# KiCad board STE25.kicad_pcb
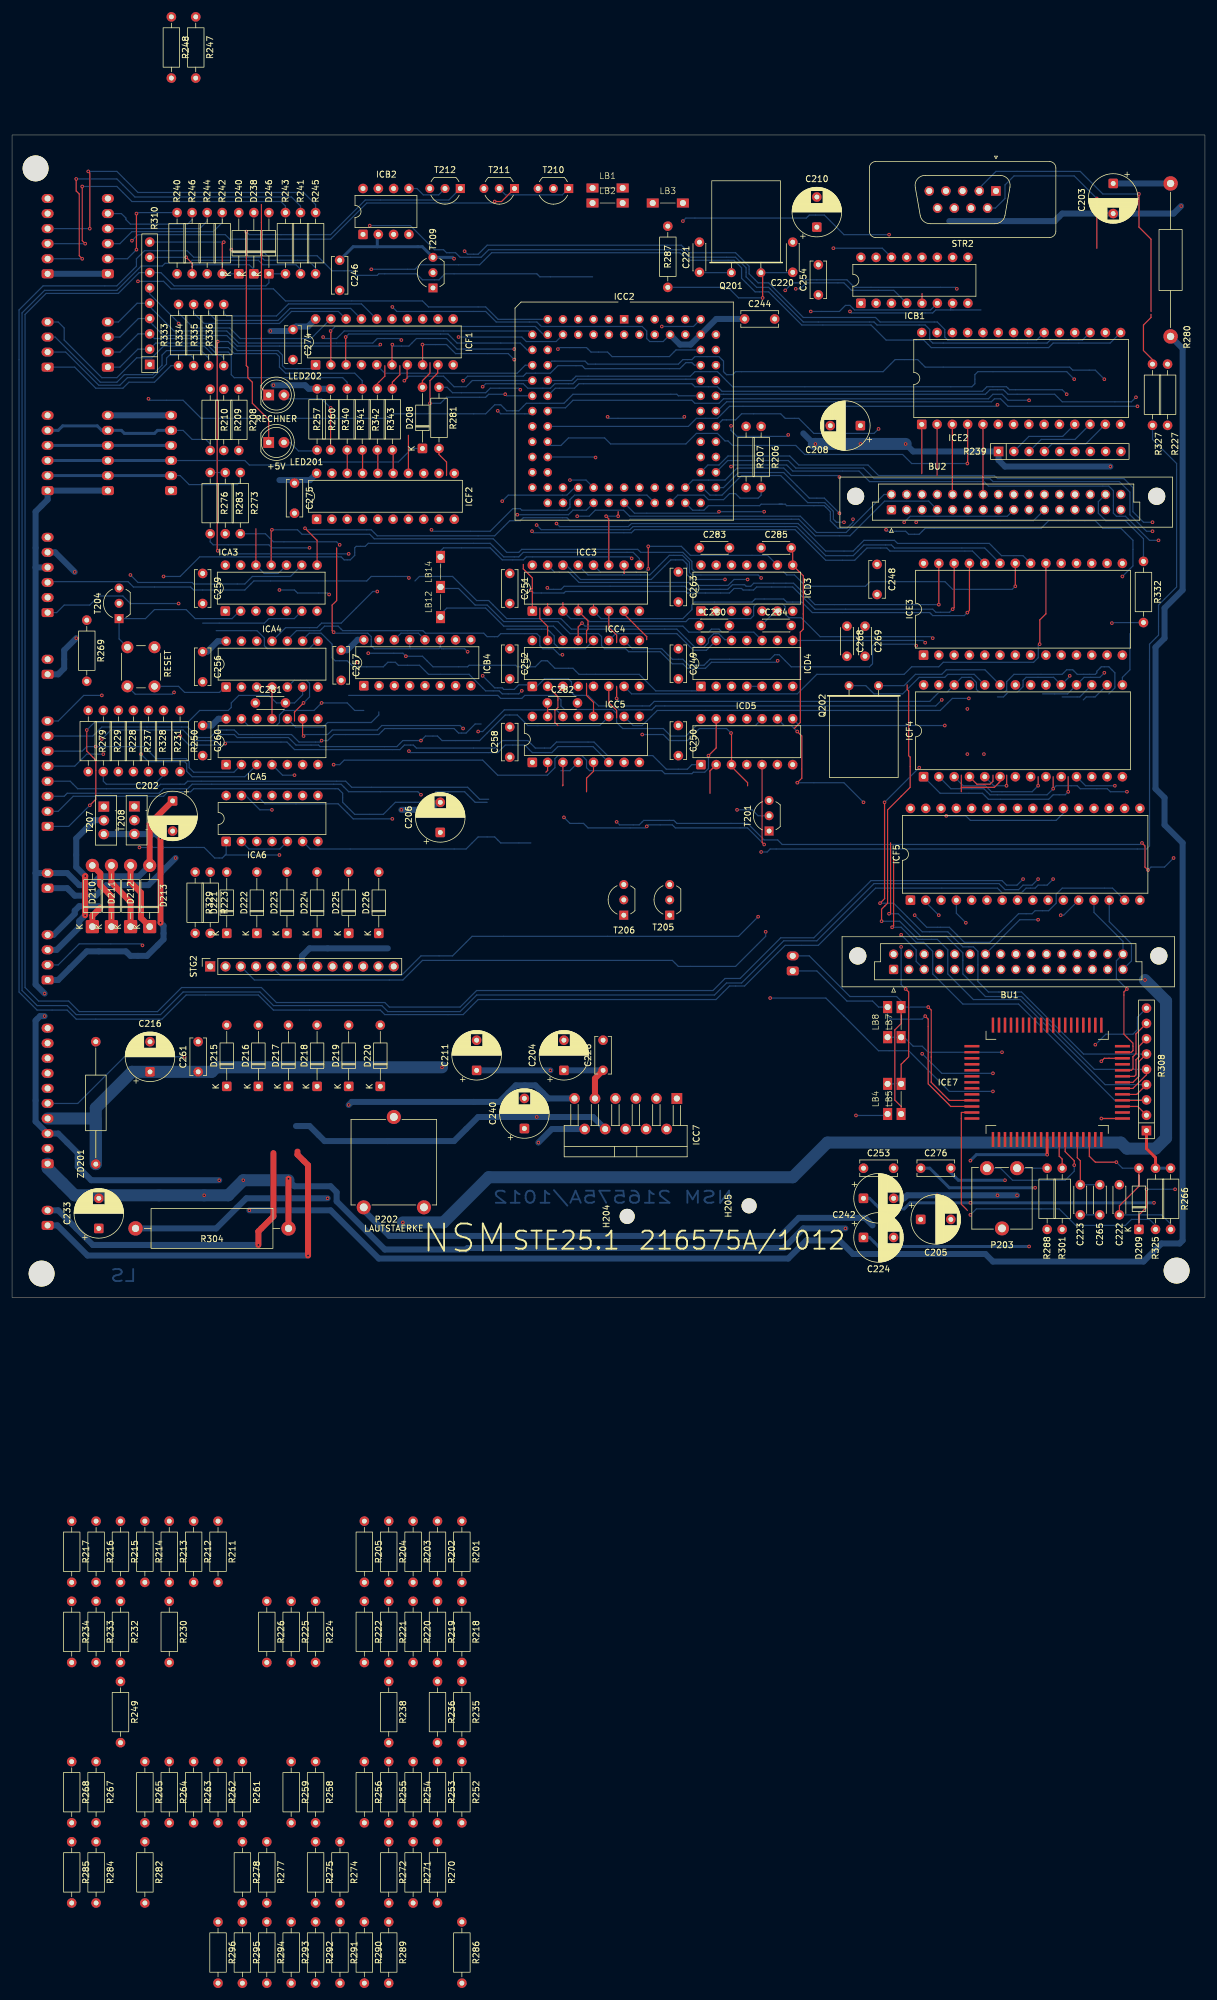
[diagram p0: board, top side]
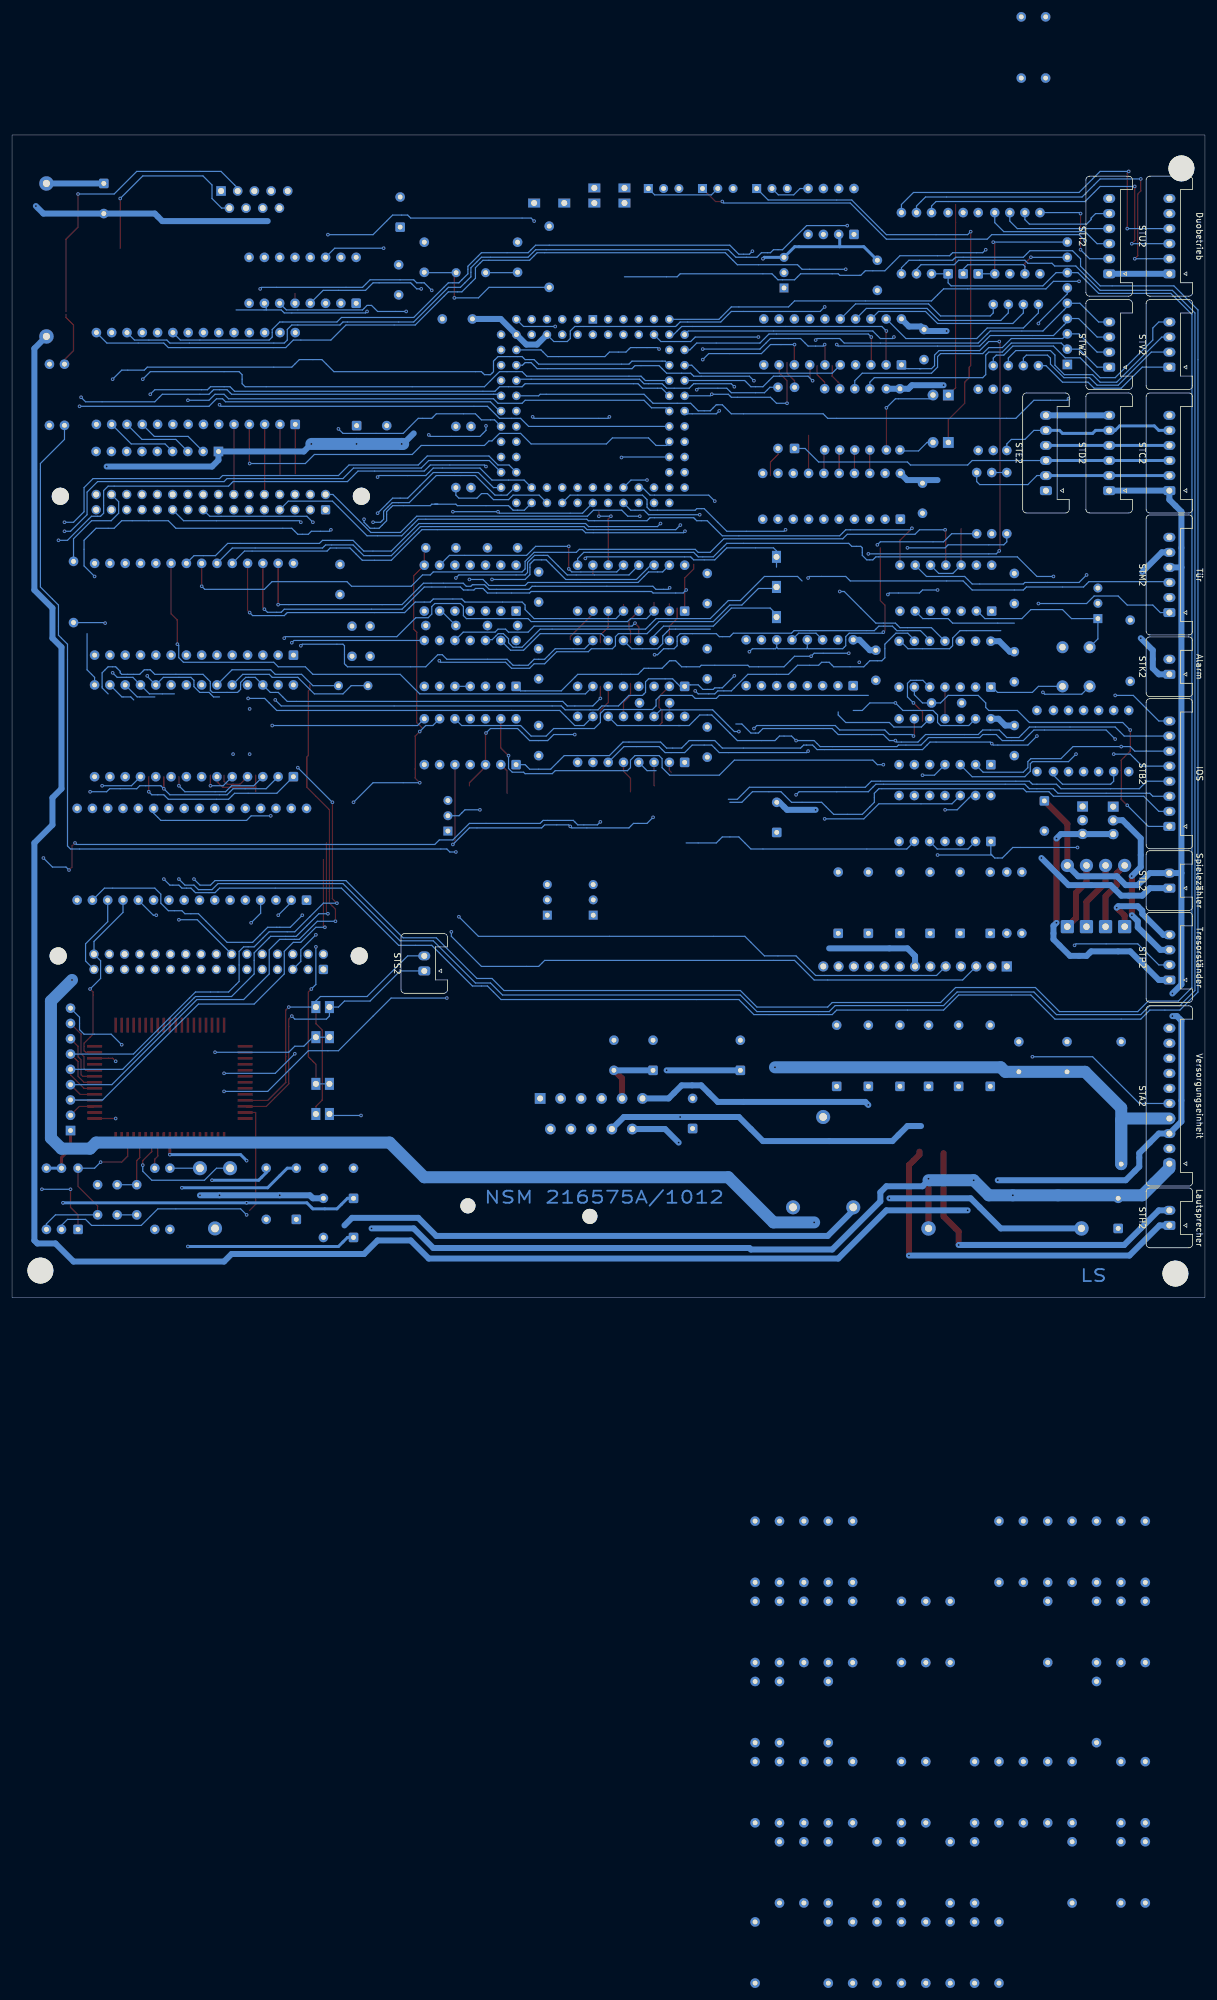
[diagram p1: board, bottom side, seen from below]

Outline 198.12 x 193.04 mm; copper layers: Top, Bottom. Coordinates in mm from the lower left corner of the outline.
Outline path: rectangle 0,193.04 198.12,0

## Placement (name value [footprint] x y rotation side)
BU1  DIN41612_02x16_AB  [DIN41612_B2_2x16_Female_Vertical_THT]  146.41 54.49 90 top
BU2  DIN41612_02x16_AB  [DIN41612_B2_2x16_Female_Vertical_THT]  146.05 130.81 90 top
C202  100uF 25V  [CP_Radial_D8.0mm_P5.00mm]  26.67 82.47 270 top
C203  100uF 25V  [CP_Radial_D8.0mm_P5.00mm]  182.88 184.99 270 top
C204  100uF 25V  [CP_Radial_D8.0mm_P5.00mm]  91.66 37.74 90 top
C205  100uF 25V  [CP_Radial_D8.0mm_P5.00mm]  150.91 12.99 0 top
C206  100uF 25V  [CP_Radial_D8.0mm_P5.00mm]  71.12 77.24 90 top
C208  100uF 25V  [CP_Radial_D8.0mm_P5.00mm]  140.89 144.78 180 top
C210  33uF 35V  [CP_Radial_D8.0mm_P5.00mm]  133.66 177.74 90 top
C211  220uF 25V  [CP_Radial_D8.0mm_P5.00mm]  77.16 37.74 90 top
C216  470uF 25V  [CP_Radial_D8.0mm_P5.00mm]  22.91 37.49 90 top
C220  15p  [C_Disc_D4.3mm_W1.9mm_P5.00mm]  129.66 170.24 90 top
C221  15p  [C_Disc_D4.3mm_W1.9mm_P5.00mm]  114.16 170.24 90 top
C222  47  [C_Disc_D4.3mm_W1.9mm_P5.00mm]  183.91 13.74 90 top
C223  47  [C_Disc_D4.3mm_W1.9mm_P5.00mm]  177.41 13.74 90 top
C224  1uF 100V  [CP_Radial_D8.0mm_P5.00mm]  141.41 9.99 0 top
C228  104  [C_Disc_D6.0mm_W2.5mm_P5.00mm]  98.16 37.74 90 top
C233  4.7uF 100V  [CP_Radial_D8.0mm_P5.00mm]  14.41 11.49 90 top
C240  220uF 25V  [CP_Radial_D8.0mm_P5.00mm]  85.09 28.08 90 top
C242  4.7uF 100V  [CP_Radial_D8.0mm_P5.00mm]  141.41 16.49 0 top
C244  104  [C_Disc_D6.0mm_W2.5mm_P5.00mm]  121.66 162.49 0 top
C246  104  [C_Disc_D6.0mm_W2.5mm_P5.00mm]  54.41 172.24 270 top
C248  104  [C_Disc_D6.0mm_W2.5mm_P5.00mm]  143.66 121.74 270 top
C249  104  [C_Disc_D6.0mm_W2.5mm_P5.00mm]  110.66 107.74 270 top
C250  104  [C_Disc_D6.0mm_W2.5mm_P5.00mm]  110.66 94.99 270 top
C251  104  [C_Disc_D6.0mm_W2.5mm_P5.00mm]  82.66 120.24 270 top
C252  104  [C_Disc_D6.0mm_W2.5mm_P5.00mm]  82.66 107.74 270 top
C253  104  [C_Disc_D6.0mm_W2.5mm_P5.00mm]  141.41 21.49 0 top
C254  104  [C_Disc_D6.0mm_W2.5mm_P5.00mm]  133.91 166.49 90 top
C256  104  [C_Disc_D6.0mm_W2.5mm_P5.00mm]  31.66 107.24 270 top
C257  104  [C_Disc_D6.0mm_W2.5mm_P5.00mm]  54.66 107.49 270 top
C258  104  [C_Disc_D6.0mm_W2.5mm_P5.00mm]  82.66 89.74 90 top
C259  104  [C_Disc_D6.0mm_W2.5mm_P5.00mm]  31.66 120.24 270 top
C260  104  [C_Disc_D6.0mm_W2.5mm_P5.00mm]  31.66 94.99 270 top
C261  104  [C_Disc_D6.0mm_W2.5mm_P5.00mm]  30.91 37.49 90 top
C263  104  [C_Disc_D6.0mm_W2.5mm_P5.00mm]  110.66 120.49 270 top
C265  C  [C_Disc_D4.3mm_W1.9mm_P5.00mm]  180.66 13.74 90 top  (not fitted)
C268  27  [C_Disc_D4.3mm_W1.9mm_P5.00mm]  138.66 111.49 270 top
C269  27  [C_Disc_D4.3mm_W1.9mm_P5.00mm]  141.66 111.49 270 top
C274  104  [C_Disc_D6.0mm_W2.5mm_P5.00mm]  46.66 160.74 270 top
C275  104  [C_Disc_D6.0mm_W2.5mm_P5.00mm]  46.91 135.24 270 top
C276  104  [C_Disc_D6.0mm_W2.5mm_P5.00mm]  150.91 21.49 0 top
C280  271  [C_Disc_D4.3mm_W1.9mm_P5.00mm]  114.16 111.59 0 top
C281  271  [C_Disc_D4.3mm_W1.9mm_P5.00mm]  40.41 98.74 0 top
C282  271  [C_Disc_D4.3mm_W1.9mm_P5.00mm]  88.91 98.74 0 top
C283  271  [C_Disc_D4.3mm_W1.9mm_P5.00mm]  114.16 124.49 0 top
C284  271  [C_Disc_D4.3mm_W1.9mm_P5.00mm]  124.41 111.59 0 top
C285  271  [C_Disc_D4.3mm_W1.9mm_P5.00mm]  124.41 124.49 0 top
D208  BAT85  [D_DO-35_SOD27_P10.16mm_Horizontal]  68.16 140.99 90 top
D209  BAT85  [D_DO-35_SOD27_P10.16mm_Horizontal]  187.16 11.33 90 top
D210  1N4001  [D_DO-41_SOD81_P10.16mm_Horizontal]  13.33 61.59 90 top
D211  1N4001  [D_DO-41_SOD81_P10.16mm_Horizontal]  16.51 61.59 90 top
D212  1N4001  [D_DO-41_SOD81_P10.16mm_Horizontal]  19.69 61.59 90 top
D213  1N4001  [D_DO-41_SOD81_P10.16mm_Horizontal]  22.86 61.59 90 top
D215  BAT85  [D_DO-35_SOD27_P10.16mm_Horizontal]  35.66 35.08 90 top
D216  BAT85  [D_DO-35_SOD27_P10.16mm_Horizontal]  40.91 35.08 90 top
D217  BAT85  [D_DO-35_SOD27_P10.16mm_Horizontal]  45.91 35.08 90 top
D218  BAT85  [D_DO-35_SOD27_P10.16mm_Horizontal]  50.66 35.08 90 top
D219  BAT85  [D_DO-35_SOD27_P10.16mm_Horizontal]  55.91 35.08 90 top
D220  BAT85  [D_DO-35_SOD27_P10.16mm_Horizontal]  61.16 35.08 90 top
D221  BAT85  [D_DO-35_SOD27_P10.16mm_Horizontal]  35.66 60.49 90 top
D222  BAT85  [D_DO-35_SOD27_P10.16mm_Horizontal]  40.66 60.49 90 top
D223  BAT85  [D_DO-35_SOD27_P10.16mm_Horizontal]  45.66 60.49 90 top
D224  BAT85  [D_DO-35_SOD27_P10.16mm_Horizontal]  50.66 60.49 90 top
D225  BAT85  [D_DO-35_SOD27_P10.16mm_Horizontal]  55.91 60.49 90 top
D226  BAT85  [D_DO-35_SOD27_P10.16mm_Horizontal]  60.91 60.49 90 top
D238  BAT85  [D_DO-35_SOD27_P10.16mm_Horizontal]  40.16 169.99 90 top
D240  BAT85  [D_DO-35_SOD27_P10.16mm_Horizontal]  37.66 169.99 90 top
D246  BAT85  [D_DO-35_SOD27_P10.16mm_Horizontal]  42.66 169.99 90 top
H201  MountingHole  [MountingHole_4.3mm_M4]  3.91 187.49 0 top
H202  MountingHole  [MountingHole_4.3mm_M4]  4.91 3.99 0 top
H203  MountingHole  [MountingHole_4.3mm_M4]  193.41 4.49 0 top
H204  MountingHole  [MountingHole_2.5mm]  102.16 13.49 90 top
H205  MountingHole  [MountingHole_2.5mm]  122.41 15.24 90 top
ICA3  74HC32N  [DIP-14_W7.62mm]  35.42 113.99 90 top
ICA4  74HC08N  [DIP-14_W7.62mm]  35.56 101.37 90 top
ICA5  74HC00  [DIP-14_W7.62mm]  35.56 88.49 90 top
ICA6  74HC32N  [DIP-14_W7.62mm]  35.56 75.74 90 top
ICB1  74HC123  [DIP-16_W7.62mm]  140.97 165.1 90 top
ICB2  TL7705A  [DIP-8_W7.62mm]  58.29 176.53 90 top
ICB4  74HC368  [DIP-16_W7.62mm]  58.42 101.6 90 top
ICC2  uPD70322L-8-232  [PLCC-84_THT-Socket]  101.66 162.43 0 top
ICC3  74HC138  [DIP-16_W7.62mm]  86.41 113.99 90 top
ICC4  74AS138  [DIP-16_W7.62mm]  86.41 101.49 90 top
ICC5  74HC4050  [DIP-16_W7.62mm]  86.41 88.87 90 top
ICC7  TDA2005  [TO-220-11_P3.4x5.08mm_StaggerOdd_Lead4.58mm_Vertical]  110.41 33.07 180 top
ICD3  74HC04  [DIP-14_W7.62mm]  114.41 113.99 90 top
ICD4  74HCT21  [DIP-14_W7.62mm]  114.41 101.49 90 top
ICD5  74HC04  [DIP-14_W7.62mm]  114.41 88.49 90 top
ICE2  IS62C256AL  [DIP-28_W15.24mm]  151.09 144.99 90 top
ICE3  A276308A-70  [DIP-28_W15.24mm]  151.38 106.68 90 top
ICE7  MSM6376  [QFP-64_14x20_Pitch1mm]  171.91 35.74 90 top
ICF1  74HCT574  [DIP-20_W7.62mm]  50.41 154.87 90 top
ICF2  74HCT245  [DIP-20_W7.62mm]  50.59 129.24 90 top
ICF4  SCC2692AC1N28  [DIP-28_W15.24mm]  151.39 86.49 90 top
ICF5  27C4001  [DIP-32_W15.24mm]  149.21 65.99 90 top
LB1  Jumper_2_Open  [NSM_Jumper]  98.91 184.24 0 top
LB2  Jumper_2_Open  [NSM_Jumper]  98.91 181.74 0 top
LB3  Jumper_2_Open  [NSM_Jumper]  108.91 181.74 0 top
LB4  Jumper_2_Open  [NSM_Jumper]  145.41 32.99 90 top
LB5  Jumper_2_Open  [NSM_Jumper]  147.66 32.99 90 top
LB7  Spielmodul Sound A19  [NSM_Jumper]  147.66 45.74 90 top
LB8  Spielmodul Sound A20  [NSM_Jumper]  145.41 45.74 90 top
LB12  Jumper_2_Open  [NSM_Jumper]  71.16 115.49 90 top
LB14  Jumper_2_Open  [NSM_Jumper]  71.16 120.49 90 top
LED201  +5V  [LED_D5.0mm]  42.62 141.99 0 top
LED202  RECHNER  [LED_D5.0mm]  42.62 149.86 0 top
P202  LAUTSTAERKE  [Potentiometer_ACP_CA14V-15_Vertical]  68.41 14.99 90 top
P203  R_Potentiometer  [Potentiometer_ACP_CA9-V10_Vertical]  161.91 21.49 270 top
Q201  16.0  [Crystal_HC49-U_Horizontal]  124.37 170.18 180 top
Q202  3.686  [Crystal_HC49-U_Horizontal]  139.01 101.61 0 top
R201  R  [R_Axial_DIN0207_L6.3mm_D2.5mm_P10.16mm_Horizontal]  74.71 -37.11 270 top
R202  R  [R_Axial_DIN0207_L6.3mm_D2.5mm_P10.16mm_Horizontal]  70.66 -37.11 270 top
R203  R  [R_Axial_DIN0207_L6.3mm_D2.5mm_P10.16mm_Horizontal]  66.61 -37.11 270 top
R204  R  [R_Axial_DIN0207_L6.3mm_D2.5mm_P10.16mm_Horizontal]  62.56 -37.11 270 top
R205  R  [R_Axial_DIN0207_L6.3mm_D2.5mm_P10.16mm_Horizontal]  58.51 -37.11 270 top
R206  R  [R_Axial_DIN0207_L6.3mm_D2.5mm_P10.16mm_Horizontal]  124.41 144.65 270 top
R207  R  [R_Axial_DIN0207_L6.3mm_D2.5mm_P10.16mm_Horizontal]  121.91 144.65 270 top
R208  R  [R_Axial_DIN0207_L6.3mm_D2.5mm_P10.16mm_Horizontal]  37.66 150.82 270 top
R209  R  [R_Axial_DIN0207_L6.3mm_D2.5mm_P10.16mm_Horizontal]  35.16 150.82 270 top
R210  R  [R_Axial_DIN0207_L6.3mm_D2.5mm_P10.16mm_Horizontal]  32.91 150.82 270 top
R211  R  [R_Axial_DIN0207_L6.3mm_D2.5mm_P10.16mm_Horizontal]  34.21 -37.11 270 top
R212  R  [R_Axial_DIN0207_L6.3mm_D2.5mm_P10.16mm_Horizontal]  30.16 -37.11 270 top
R213  R  [R_Axial_DIN0207_L6.3mm_D2.5mm_P10.16mm_Horizontal]  26.11 -37.11 270 top
R214  R  [R_Axial_DIN0207_L6.3mm_D2.5mm_P10.16mm_Horizontal]  22.06 -37.11 270 top
R215  R  [R_Axial_DIN0207_L6.3mm_D2.5mm_P10.16mm_Horizontal]  18.01 -37.11 270 top
R216  R  [R_Axial_DIN0207_L6.3mm_D2.5mm_P10.16mm_Horizontal]  13.96 -37.11 270 top
R217  R  [R_Axial_DIN0207_L6.3mm_D2.5mm_P10.16mm_Horizontal]  9.91 -37.11 270 top
R218  R  [R_Axial_DIN0207_L6.3mm_D2.5mm_P10.16mm_Horizontal]  74.71 -50.42 270 top
R219  R  [R_Axial_DIN0207_L6.3mm_D2.5mm_P10.16mm_Horizontal]  70.66 -50.42 270 top
R220  R  [R_Axial_DIN0207_L6.3mm_D2.5mm_P10.16mm_Horizontal]  66.61 -50.42 270 top
R221  R  [R_Axial_DIN0207_L6.3mm_D2.5mm_P10.16mm_Horizontal]  62.56 -50.42 270 top
R222  R  [R_Axial_DIN0207_L6.3mm_D2.5mm_P10.16mm_Horizontal]  58.51 -50.42 270 top
R223  1k  [R_Axial_DIN0207_L6.3mm_D2.5mm_P10.16mm_Horizontal]  32.91 70.65 270 top
R224  R  [R_Axial_DIN0207_L6.3mm_D2.5mm_P10.16mm_Horizontal]  50.41 -50.42 270 top
R225  R  [R_Axial_DIN0207_L6.3mm_D2.5mm_P10.16mm_Horizontal]  46.36 -50.42 270 top
R226  R  [R_Axial_DIN0207_L6.3mm_D2.5mm_P10.16mm_Horizontal]  42.31 -50.42 270 top
R227  R  [R_Axial_DIN0207_L6.3mm_D2.5mm_P10.16mm_Horizontal]  191.91 154.99 270 top
R228  10k  [R_Axial_DIN0207_L6.3mm_D2.5mm_P10.16mm_Horizontal]  17.66 97.49 270 top
R229  10k  [R_Axial_DIN0207_L6.3mm_D2.5mm_P10.16mm_Horizontal]  15.16 97.49 270 top
R230  R  [R_Axial_DIN0207_L6.3mm_D2.5mm_P10.16mm_Horizontal]  26.11 -50.42 270 top
R231  4.7K  [R_Axial_DIN0207_L6.3mm_D2.5mm_P10.16mm_Horizontal]  25.16 97.49 270 top
R232  R  [R_Axial_DIN0207_L6.3mm_D2.5mm_P10.16mm_Horizontal]  18.01 -50.42 270 top
R233  R  [R_Axial_DIN0207_L6.3mm_D2.5mm_P10.16mm_Horizontal]  13.96 -50.42 270 top
R234  R  [R_Axial_DIN0207_L6.3mm_D2.5mm_P10.16mm_Horizontal]  9.91 -50.42 270 top
R235  R  [R_Axial_DIN0207_L6.3mm_D2.5mm_P10.16mm_Horizontal]  74.71 -63.73 270 top
R236  R  [R_Axial_DIN0207_L6.3mm_D2.5mm_P10.16mm_Horizontal]  70.66 -63.73 270 top
R237  4.7K  [R_Axial_DIN0207_L6.3mm_D2.5mm_P10.16mm_Horizontal]  20.16 97.49 270 top
R238  R  [R_Axial_DIN0207_L6.3mm_D2.5mm_P10.16mm_Horizontal]  62.56 -63.73 270 top
R239  9A472G  [R_Array_SIP9]  163.84 140.49 0 top
R240  330  [R_Axial_DIN0207_L6.3mm_D2.5mm_P10.16mm_Horizontal]  27.41 180.15 270 top
R241  330  [R_Axial_DIN0207_L6.3mm_D2.5mm_P10.16mm_Horizontal]  47.91 180.15 270 top
R242  4.7k  [R_Axial_DIN0207_L6.3mm_D2.5mm_P10.16mm_Horizontal]  34.91 180.15 270 top
R243  4.7k  [R_Axial_DIN0207_L6.3mm_D2.5mm_P10.16mm_Horizontal]  45.41 180.15 270 top
R244  330  [R_Axial_DIN0207_L6.3mm_D2.5mm_P10.16mm_Horizontal]  32.41 180.15 270 top
R245  330  [R_Axial_DIN0207_L6.3mm_D2.5mm_P10.16mm_Horizontal]  50.41 180.15 270 top
R246  4.7k  [R_Axial_DIN0207_L6.3mm_D2.5mm_P10.16mm_Horizontal]  29.91 180.15 270 top
R247  R  [R_Axial_DIN0207_L6.3mm_D2.5mm_P10.16mm_Horizontal]  30.51 212.65 270 top
R248  R  [R_Axial_DIN0207_L6.3mm_D2.5mm_P10.16mm_Horizontal]  26.46 212.65 270 top
R249  R  [R_Axial_DIN0207_L6.3mm_D2.5mm_P10.16mm_Horizontal]  18.01 -63.73 270 top
R250  R  [R_Axial_DIN0207_L6.3mm_D2.5mm_P10.16mm_Horizontal]  27.91 97.49 270 top
R252  R  [R_Axial_DIN0207_L6.3mm_D2.5mm_P10.16mm_Horizontal]  74.71 -77.04 270 top
R253  R  [R_Axial_DIN0207_L6.3mm_D2.5mm_P10.16mm_Horizontal]  70.66 -77.04 270 top
R254  R  [R_Axial_DIN0207_L6.3mm_D2.5mm_P10.16mm_Horizontal]  66.61 -77.04 270 top
R255  R  [R_Axial_DIN0207_L6.3mm_D2.5mm_P10.16mm_Horizontal]  62.56 -77.04 270 top
R256  R  [R_Axial_DIN0207_L6.3mm_D2.5mm_P10.16mm_Horizontal]  58.51 -77.04 270 top
R257  1.2k  [R_Axial_DIN0207_L6.3mm_D2.5mm_P10.16mm_Horizontal]  50.66 150.9 270 top
R258  R  [R_Axial_DIN0207_L6.3mm_D2.5mm_P10.16mm_Horizontal]  50.41 -77.04 270 top
R259  R  [R_Axial_DIN0207_L6.3mm_D2.5mm_P10.16mm_Horizontal]  46.36 -77.04 270 top
R260  1.2k  [R_Axial_DIN0207_L6.3mm_D2.5mm_P10.16mm_Horizontal]  52.91 150.9 270 top
R261  R  [R_Axial_DIN0207_L6.3mm_D2.5mm_P10.16mm_Horizontal]  38.26 -77.04 270 top
R262  R  [R_Axial_DIN0207_L6.3mm_D2.5mm_P10.16mm_Horizontal]  34.21 -77.04 270 top
R263  R  [R_Axial_DIN0207_L6.3mm_D2.5mm_P10.16mm_Horizontal]  30.16 -77.04 270 top
R264  R  [R_Axial_DIN0207_L6.3mm_D2.5mm_P10.16mm_Horizontal]  26.11 -77.04 270 top
R265  R  [R_Axial_DIN0207_L6.3mm_D2.5mm_P10.16mm_Horizontal]  22.06 -77.04 270 top
R266  R  [R_Axial_DIN0207_L6.3mm_D2.5mm_P10.16mm_Horizontal]  192.41 21.49 270 top
R267  R  [R_Axial_DIN0207_L6.3mm_D2.5mm_P10.16mm_Horizontal]  13.96 -77.04 270 top
R268  R  [R_Axial_DIN0207_L6.3mm_D2.5mm_P10.16mm_Horizontal]  9.91 -77.04 270 top
R269  R  [R_Axial_DIN0207_L6.3mm_D2.5mm_P10.16mm_Horizontal]  12.41 112.49 270 top
R270  R  [R_Axial_DIN0207_L6.3mm_D2.5mm_P10.16mm_Horizontal]  70.66 -90.35 270 top
R271  R  [R_Axial_DIN0207_L6.3mm_D2.5mm_P10.16mm_Horizontal]  66.61 -90.35 270 top
R272  R  [R_Axial_DIN0207_L6.3mm_D2.5mm_P10.16mm_Horizontal]  62.56 -90.35 270 top
R273  R  [R_Axial_DIN0207_L6.3mm_D2.5mm_P10.16mm_Horizontal]  37.91 136.99 270 top
R274  R  [R_Axial_DIN0207_L6.3mm_D2.5mm_P10.16mm_Horizontal]  54.46 -90.35 270 top
R275  R  [R_Axial_DIN0207_L6.3mm_D2.5mm_P10.16mm_Horizontal]  50.41 -90.35 270 top
R276  R  [R_Axial_DIN0207_L6.3mm_D2.5mm_P10.16mm_Horizontal]  32.91 136.99 270 top
R277  R  [R_Axial_DIN0207_L6.3mm_D2.5mm_P10.16mm_Horizontal]  42.31 -90.35 270 top
R278  R  [R_Axial_DIN0207_L6.3mm_D2.5mm_P10.16mm_Horizontal]  38.26 -90.35 270 top
R279  820  [R_Axial_DIN0207_L6.3mm_D2.5mm_P10.16mm_Horizontal]  12.66 97.49 270 top
R280  1  [R_Axial_DIN0411_L9.9mm_D3.6mm_P25.40mm_Horizontal]  192.41 184.99 270 top
R281  R  [R_Axial_DIN0207_L6.3mm_D2.5mm_P10.16mm_Horizontal]  70.91 151.15 270 top
R282  R  [R_Axial_DIN0207_L6.3mm_D2.5mm_P10.16mm_Horizontal]  22.06 -90.35 270 top
R283  R  [R_Axial_DIN0207_L6.3mm_D2.5mm_P10.16mm_Horizontal]  35.41 136.99 270 top
R284  R  [R_Axial_DIN0207_L6.3mm_D2.5mm_P10.16mm_Horizontal]  13.96 -90.35 270 top
R285  R  [R_Axial_DIN0207_L6.3mm_D2.5mm_P10.16mm_Horizontal]  9.91 -90.35 270 top
R286  R  [R_Axial_DIN0207_L6.3mm_D2.5mm_P10.16mm_Horizontal]  74.71 -103.66 270 top
R287  R  [R_Axial_DIN0207_L6.3mm_D2.5mm_P10.16mm_Horizontal]  108.91 177.9 270 top
R288  R  [R_Axial_DIN0207_L6.3mm_D2.5mm_P10.16mm_Horizontal]  171.91 21.49 270 top
R289  R  [R_Axial_DIN0207_L6.3mm_D2.5mm_P10.16mm_Horizontal]  62.56 -103.66 270 top
R290  R  [R_Axial_DIN0207_L6.3mm_D2.5mm_P10.16mm_Horizontal]  58.51 -103.66 270 top
R291  R  [R_Axial_DIN0207_L6.3mm_D2.5mm_P10.16mm_Horizontal]  54.46 -103.66 270 top
R292  R  [R_Axial_DIN0207_L6.3mm_D2.5mm_P10.16mm_Horizontal]  50.41 -103.66 270 top
R293  R  [R_Axial_DIN0207_L6.3mm_D2.5mm_P10.16mm_Horizontal]  46.36 -103.66 270 top
R294  R  [R_Axial_DIN0207_L6.3mm_D2.5mm_P10.16mm_Horizontal]  42.31 -103.66 270 top
R295  R  [R_Axial_DIN0207_L6.3mm_D2.5mm_P10.16mm_Horizontal]  38.26 -103.66 270 top
R296  R  [R_Axial_DIN0207_L6.3mm_D2.5mm_P10.16mm_Horizontal]  34.21 -103.66 270 top
R301  R  [R_Axial_DIN0207_L6.3mm_D2.5mm_P10.16mm_Horizontal]  174.41 11.33 90 top
R304  180  [R_Axial_Power_L20.0mm_W6.4mm_P25.40mm]  20.51 11.49 0 top
R308  9A473G  [R_Array_SIP9]  188.41 27.74 90 top
R310  9A473G  [R_Array_SIP9]  22.86 154.94 90 top
R325  R  [R_Axial_DIN0207_L6.3mm_D2.5mm_P10.16mm_Horizontal]  189.91 11.33 90 top
R327  R  [R_Axial_DIN0207_L6.3mm_D2.5mm_P10.16mm_Horizontal]  189.41 154.99 270 top
R328  10k  [R_Axial_DIN0207_L6.3mm_D2.5mm_P10.16mm_Horizontal]  22.66 97.49 270 top
R329  10k  [R_Axial_DIN0207_L6.3mm_D2.5mm_P10.16mm_Horizontal]  30.41 70.65 270 top
R332  4.7k  [R_Axial_DIN0207_L6.3mm_D2.5mm_P10.16mm_Horizontal]  187.91 122.24 270 top
R333  330  [R_Axial_DIN0207_L6.3mm_D2.5mm_P10.16mm_Horizontal]  27.66 154.74 90 top
R334  330  [R_Axial_DIN0207_L6.3mm_D2.5mm_P10.16mm_Horizontal]  30.16 154.74 90 top
R335  330  [R_Axial_DIN0207_L6.3mm_D2.5mm_P10.16mm_Horizontal]  32.66 154.74 90 top
R336  330  [R_Axial_DIN0207_L6.3mm_D2.5mm_P10.16mm_Horizontal]  35.16 154.74 90 top
R340  4.7k  [R_Axial_DIN0207_L6.3mm_D2.5mm_P10.16mm_Horizontal]  55.66 140.74 90 top
R341  4.7k  [R_Axial_DIN0207_L6.3mm_D2.5mm_P10.16mm_Horizontal]  58.16 140.74 90 top
R342  4.7k  [R_Axial_DIN0207_L6.3mm_D2.5mm_P10.16mm_Horizontal]  60.66 140.74 90 top
R343  4.7k  [R_Axial_DIN0207_L6.3mm_D2.5mm_P10.16mm_Horizontal]  63.16 140.74 90 top
STA2  Versorgungseinheit  [Stocko_MKS_1660-6-0-1010_1x10_P2.50mm_Vertical]  5.91 22.24 90 bottom
STB2  IOS  [Stocko_MKS_1658-6-0-808_1x8_P2.50mm_Vertical]  5.91 78.24 90 bottom
STC2  Conn_01x06  [Stocko_MKS_1656-6-0-606_1x6_P2.50mm_Vertical]  5.91 133.99 90 bottom
STD2  Conn_01x06  [Stocko_MKS_1656-6-0-606_1x6_P2.50mm_Vertical]  15.91 133.99 90 bottom
STE2  Conn_01x06  [Stocko_MKS_1656-6-0-606_1x6_P2.50mm_Vertical]  26.41 133.99 90 bottom
STG2  Service  [PinSocket_1x13_P2.54mm_Vertical]  32.91 54.99 90 top
STH2  Lautsprecher  [Stocko_MKS_1651-6-0-202_1x2_P2.50mm_Vertical]  5.91 11.99 90 bottom
STK2  Alarm  [Stocko_MKS_1651-6-0-202_1x2_P2.50mm_Vertical]  5.91 103.49 90 bottom
STL2  Spielezähler  [Stocko_MKS_1651-6-0-202_1x2_P2.50mm_Vertical]  5.91 67.99 90 bottom
STM2  Tür  [Stocko_MKS_1656-6-0-606_1x6_P2.50mm_Vertical]  5.91 113.74 90 bottom
STP2  Tresorständer  [Stocko_MKS_1654-6-0-404_1x4_P2.50mm_Vertical]  5.91 52.74 90 bottom
STR2  DATAprint  [DSUB-9_Socket_Vertical_P2.77x2.84mm]  163.41 183.74 0 top
STS2  ~  [Stocko_MKS_1651-6-0-202_1x2_P2.50mm_Vertical]  129.66 54.24 90 bottom
STT2  Kartenleser  [Stocko_MKS_1656-6-0-606_1x6_P2.50mm_Vertical]  15.91 169.99 90 bottom
STU2  Duobetrieb  [Stocko_MKS_1656-6-0-606_1x6_P2.50mm_Vertical]  5.91 169.99 90 bottom
STV2  Conn_01x04  [Stocko_MKS_1654-6-0-404_1x4_P2.50mm_Vertical]  5.91 154.49 90 bottom
STW2  Conn_01x04  [Stocko_MKS_1654-6-0-404_1x4_P2.50mm_Vertical]  15.91 154.49 90 bottom
SW201  RESET  [SW_PUSH_6mm]  19.16 101.49 90 top
T201  BC547  [TO-92_Inline_Wide]  125.73 77.47 90 top
T204  BC547  [TO-92_Inline_Wide]  17.78 112.74 90 top
T205  BC547  [TO-92_Inline_Wide]  109.22 63.5 90 top
T206  BC547  [TO-92_Inline_Wide]  101.6 63.5 90 top
T207  BD679  [TO-126-3_Vertical]  15.24 81.52 270 top
T208  BD679  [TO-126-3_Vertical]  20.32 81.55 270 top
T209  BC556  [TO-92_Inline_Wide]  69.91 167.64 90 top
T210  BC547  [TO-92_Inline_Wide]  92.45 184.15 180 top
T211  BC547  [TO-92_Inline_Wide]  83.45 184.15 180 top
T212  BC547  [TO-92_Inline_Wide]  74.45 184.15 180 top
ZD201  D_Zener  [R_Axial_DIN0309_L9.0mm_D3.2mm_P20.32mm_Horizontal]  13.91 22.17 90 top
